# Altium PCB PROB_S7CAS_PCB.PcbDoc (part 3 of 6)
Units mil, origin at the board's own origin, x right, y up, seen from the top; angles counter-clockwise.
Board outline 5946.03 x 10918.8 mil, 16 copper layers (Top, Ground Plane 1, Data 1, Ground Plane 2, Data 2, Ground Plane 3, Power Plane 1, Ground plane 4, Power Plane 2, Ground Plane 5, Ground Plane 6, Data 3, Ground Plane 7, Data 4, Groud Plane 8, Bottom), stack 69.344 mil thick; 467 components, 340 nets, 2151 pads, 1273 vias.
Unrouted connection lines stored in the file: 425.
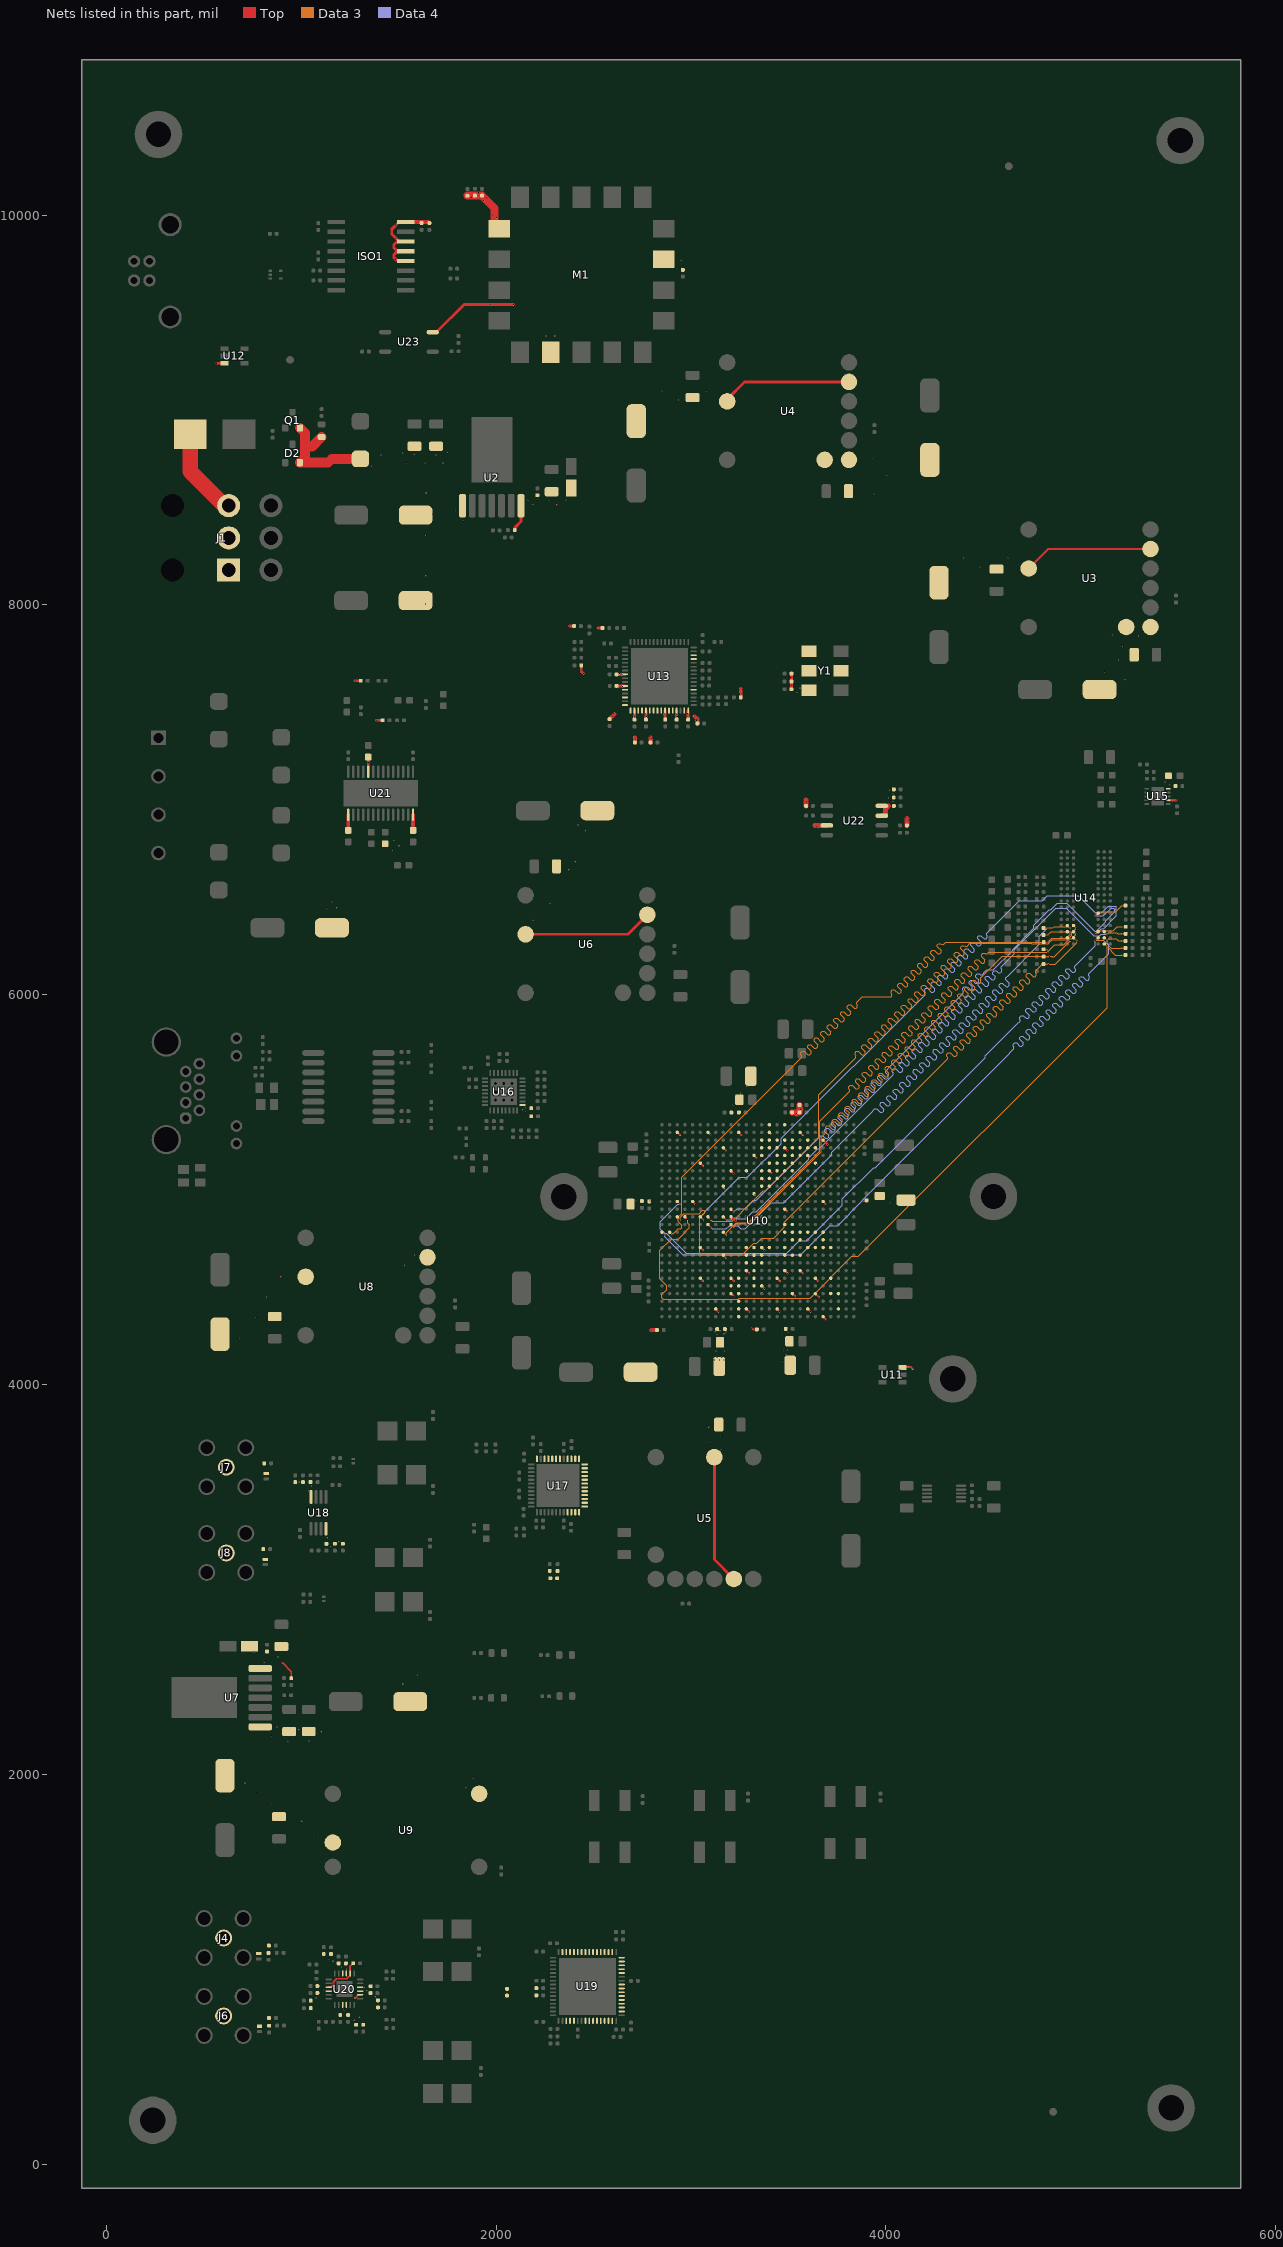
[diagram p17: the nets of this part, all layers, seen from the top]

## Via types
v1: diameter 7, hole 4, Top to Bottom, 1079 vias
v2: diameter 19.68, hole 7.87, Top to Bottom, 110 vias
v3: diameter 20, hole 10, Top to Bottom, 78 vias
v4: diameter 15, hole 4, Top to Bottom, 5 vias
v5: diameter 15, hole 6, Top to Bottom, 1 vias

## Nets (pads, with @x,y where several pads share a name; then routed paths per layer and width w, separated by ;. In a path a pad name is that pad's centre, name@x,y a point inside that pad or via, vN(x,y) a via of type N, cw(c..) or ccw(c..) an arc to the next point about the centre after c; other vN are vias at no path point) (continued)
3V3D: C20.1 C21.2 C46.2 C47.2 C48.2 C49.2 C50.2 C56.2 C57.2 C58.2 C59.2 C60.2 C66.2 C67.2 C68.2 C69.2 C70.2 C71.2 C72.2 C73.2 C74.2 C75.2 C76.2 C95.2 C96.2 C97.2 C98.2 C99.2 C100.2 C101.2 C102.2 C103.2 C104.2 C105.2 C106.2 C107.2 C108.2 C109.2 C174.2 C175.2 C240.2 C250.2 C251.2 C252.2 C253.2 C254.2 C255.2 C256.2 C259.2 C260.2 ISO1.12 ISO1.13 ISO1.14 ISO1.16 L2.2 L3.2 L4.2 M1.2 M1.8 M1.15 R22.2 R107.2 R110.2 R115.2 R116.2 U4.4 U4.5 U10.AA6 U10.AA10 U10.AA16 U10.AA21 U10.AB14 U10.AC10 U10.AC18 U10.AC21 U10.AE8 U10.AE12 U10.AE16 U10.AE20 U10.AF22 U10.B3 U10.B7 U10.B11 U10.B15 U10.B19 U10.C22 U10.D9 U10.D17 U10.E13 U10.F6 U10.F21 U10.G10 U10.G12 U10.G15 U10.G18 U10.H14 U10.J9 U10.J18 U10.K13 U10.L5 U10.L22 U10.M17 U10.N10 U10.U6 U10.U14 U10.V9 U10.Y12 U10.Y17 U10.Y19 U11.3 U12.3 U13.8 U13.11 U13.18 U13.21 U13.26 U13.29 U13.32 U16.17 U21.10 U22.3 U22.7 U22.8 Y1.6 | length 2872.1
  Top w4: C107.2@3515.14,7646.95 C107.2@3515.29,7647.11
  Top w10: U10.B3@2929.42,5293.54 2943.67,5279.29 v1(2943.75,5279.29) ; U10.L5@3008.16,4939.21 3022.41,4924.96 v1(3022.49,4924.96) ; U10.AA6@3047.53,4545.51 3047.61,4545.51 v1(3061.86,4531.26) ; U10.U6@3047.53,4702.99 3047.61,4702.99 v1(3061.86,4688.74) ; U10.F6@3047.53,5136.06 3047.61,5136.06 v1(3061.86,5121.81) ; U10.B7@3086.9,5293.54 3088.99,5293.54 v1(3099.11,5283.43) ; U10.AE8@3126.27,4388.03 v1(3140.56,4373.78) ; U10.V9@3165.64,4663.62 3165.64,4663.52 v1(3180.58,4648.58) ; U10.J9@3165.64,5017.95 3167.12,5016.48 3167.12,5008.06 v1(3171.47,5003.7) ; U10.D9@3165.64,5214.8 3165.72,5214.8 v1(3179.97,5200.55) ; U10.AC10@3205.01,4466.77 3205.09,4466.77 v1(3219.34,4452.52) ; U10.AA10@3205.01,4545.51 3205.1,4545.51 v1(3219.34,4531.26) ; U10.N10@3205.01,4860.47 3222.79,4842.69 v1(3229.56,4842.69) ; U10.G10@3205.01,5096.69 v1(3219.34,5082.44) v1(3219.34,5082.44) ; U10.B11@3244.38,5293.54 3244.47,5293.54 v1(3258.71,5279.29) ; U10.AE12@3283.75,4388.03 v1(3298,4373.78) ; U10.Y12@3283.75,4584.88 U10.Y12@3283.75,4584.88 v1(3298.08,4570.63) ; U10.G12@3283.75,5096.69 U10.G12@3283.75,5096.69 v1(3293.48,5087.04) ; v1(3311.61,4288.79) 3317.37,4283.03 C60.2@3337.63,4283.03 ; U10.K13@3323.12,4978.58 3324.15,4978.58 v1(3328.38,4974.35) ; U10.E13@3323.12,5175.43 3323.21,5175.43 v1(3335.63,5163.01) ; U10.AB14@3362.49,4506.14 3362.58,4506.14 v1(3376.82,4491.89) ; U10.U14@3362.49,4702.99 3376.74,4688.74 v1(3376.82,4688.74) ; U10.H14@3362.49,5057.32 3362.58,5057.32 v1(3373.25,5046.65) ; U10.G15@3401.86,5096.69 U10.G15@3401.86,5096.69 v1(3412.62,5086.02) ; U10.B15@3401.86,5293.54 v1(3411.28,5284.13) ; U10.AE16@3441.23,4388.03 3441.23,4387.54 v1(3454.99,4373.78) ; U10.AA16@3441.23,4545.51 3441.32,4545.51 v1(3455.56,4531.26) ; U10.Y17@3480.6,4584.88 3480.69,4584.88 v1(3494.93,4570.63) ; U10.M17@3480.6,4899.84 3480.69,4899.84 v1(3492.29,4888.24) ; U10.D17@3480.6,5214.8 v1(3494.93,5200.55) v1(3494.93,5200.55) ; U10.AC18@3519.97,4466.77 3534.22,4452.52 v1(3534.3,4452.52) ; U10.J18@3519.97,5017.95 3520.06,5017.95 v1(3527.04,5010.97) ; U10.G18@3519.97,5096.69 3520.06,5096.69 v1(3525.68,5091.07) ; U10.Y19@3559.34,4584.88 3573.59,4570.63 v1(3573.67,4570.63) ; U10.B19@3559.34,5293.54 v1(3573.59,5279.29) ; U10.AE20@3598.75,4388.03 v1(3613,4373.78) ; U10.AC21@3638.08,4466.77 3640.56,4464.29 3640.65,4464.29 v1(3657.36,4447.57) ; U10.AA21@3638.08,4545.51 3638.17,4545.51 v1(3652.41,4531.26) ; U10.F21@3638.08,5136.06 3638.17,5136.06 v1(3645.15,5129.08) ; U10.L22@3677.45,4939.21 U10.L22@3677.45,4939.21 v1(3691.78,4924.96) ; U10.C22@3677.45,5254.17 U10.C22@3677.45,5254.17 3700.13,5231.58 v1(3700.64,5231.07) ; U10.AF22@3677.45,4348.66 v1(3691.74,4334.41) ; U11.3@4087.06,4090.61 4126.88,4090.61 v1(4138.18,4079.31)
  Top w12: v1(566.08,9239.33) U12.3@606.61,9239.33 ; v1(1275.32,7610.57) R107.2@1305.51,7610.57 ; U21.10@1343.82,7143.81 v1(1343.82,7191.89) C240.2@1343.82,7218.89 ; v1(1385.1,7407.83) R110.2@1417.37,7407.83
  Top w15: ISO1.13@1497.96,9810.74 1474.91,9833.79 1474.91,9846.21 1497.53,9868.83 1464.48,9901.88 1464.48,9927.26 1501.79,9964.57 ISO1.16@1536.04,9964.57 ; ISO1.14@1501.79,9864.57 ISO1.14@1536.04,9864.57 ; ISO1.12@1536.04,9764.57 1532.54,9768.07 1489.88,9768.07 1474.91,9783.04 1474.91,9795.46 1490.51,9811.06 1498.29,9811.06 1501.79,9814.57 ISO1.13@1536.04,9814.57 ; v1(2376.85,7891.08) L2.2@2399.98,7891.08 ; C99.2@2436.7,7689.17 2436.7,7658.43 v1(2447.85,7647.27) ; v1(2522.07,7881.24) L3.2@2545.2,7881.24 ; C106.2@2617.48,7643.42 U13.8@2661.3,7643.42 ; C105.2@2617.79,7584.37 U13.11@2661.3,7584.37 ; C104.2@2709.53,7411.08 U13.18@2709.53,7457.4 ; C103.2@2768.58,7411.08 U13.21@2768.58,7457.4 ; U13.26@2867.01,7457.4 2867.24,7457.16 2867.24,7411.31 C102.2@2867.48,7411.08 ; C101.2@2926.06,7411.08 U13.29@2926.06,7457.4 ; C100.2@2985.12,7411.39 U13.32@2985.12,7457.4 ; C109.2@3514.98,7567.11 3515.14,7567.27 C107.2@3515.14,7646.95
  Top w20: C95.2@2582.48,7413.58 2607.74,7438.84 ; C96.2@2711.71,7293.58 2711.71,7319.76 ; C97.2@2792.64,7293.58 2792.64,7320.73 ; v1(2794.76,4278.61) 2796.25,4280.11 R22.2@2825.01,4280.11 ; v1@3018.13,7428.58 3032.48,7414.23 C98.2@3032.48,7391.71 ; L4.2@3254.98,7525.24 3254.98,7567.5
  Top w22: ISO1.16@1536.04,9964.57 1651.56,9964.57 C259.2@1657.27,9958.86
  Top w25: R115.2@3590.29,6968.58 3590.29,6998.91 ; 3634.89,6868.58 U22.3@3697.05,6868.58 ; U22.7@3978.54,6918.58 3997.83,6918.58 3998.52,6919.27 3998.52,6953.65 4013.45,6968.58 ; R116.2@4107.48,6868.58 4107.48,6903.57
  Top w30: C50.2@3518.38,5396.58 3542.04,5396.58 ; v1(3542.04,5390.85) 3542.04,5396.58 ; 3556.45,5410.37 v1(3561.56,5410.37) ; C74.2@3556.45,5433.88 3556.45,5396.83 C71.2@3556.7,5396.58 3542.04,5396.58
  Top w40: C254.2@1852.91,10098.91 1853.31,10099.31 C256.2@1927.79,10099.31 1992.03,10035.07 1992.03,9953.32 M1.15@2015.55,9929.8
  other v1: 4117.53,4094.36 3469.47,4122.37 3119.28,4125.38 3145.07,4125.27 3169.22,4126.25 3132.4,4140.02 3157.42,4140.35 3485.48,4156.35 3127.88,4170.9 3170.05,4171.07 3469.76,4176.25 3496.71,4175.95 3134.92,4258.83 3169.35,4260 3473.02,4266.8 3497.39,4266.96 3178.15,4269.8 3123.84,4270.65 3148.56,4275.77 4022.38,4929.48 2719.48,4939.56 3887.65,4940.75 2789,4942.27 4042.36,4949.45 2152.28,5396.13 2137.57,5408.97 2152.83,5420.28 3217.01,5436.03 3251.64,5493.67 3285.45,5527.49 3646.66,6861.85 3630.75,6875.11 4114.73,6890.58 4101.72,6905.66 4005.55,6934.02 3990.12,6953.26 4017.79,6968.36 4034.16,6989.34 3595.32,6989.7 3584.34,7003.72 4010.95,7010.82 4035.91,7032.44 4017.94,7049.45 2797.94,7311.11 2715.71,7312.44 2706.42,7321.87 2788.22,7323.49 3027.04,7408.03 3036.54,7417.96 2598.55,7423.99 2713.04,7426.15 2870.64,7426.27 2771.8,7426.71 2929.4,7426.75 2988.92,7427.25 3016.89,7429.73 2863.34,7439.07 2921.91,7438.84 2705.54,7439.9 2764.75,7441.47 2605.7,7443.47 2981.57,7443.66 3249.07,7541.48 3545.48,7548.61 3260.78,7557.18 3248.95,7569.01 3559.33,7575.56 2647.99,7580.65 3518.4,7587.34 2633.98,7588.5 3511.66,7627.15 2647.38,7639.71 2633.13,7647.32 2433.22,7666.34 3940.55,8570.4 4005.08,8663.58 3940.55,8749.76 2257.88,9379.27 2301.23,9379.6 2921.51,9725.36 2949.09,9766.65 1484.64,9773.2 1482.93,9825.95 1487.37,9878.53 1487.35,9950.14 1594.74,9956.68 1637.76,9969.31 2001.97,9986.6 1981.17,9999.78 1936.09,10073.99 1954.12,10088.32 1872.28,10089.94 1909.5,10113.98
3V3DDR: C16.1 C17.2 C159.2 R57.2 U3.4 U3.5 U15.7 U15.10 | length 39.4
  Top w15: U15.7@5448.84,6997.53 v1@5488.21,6997.53
  other v1: 5465.57,6994.18 5487.55,7000.12 5452.89,7077.24 5430,7090.95 5460,7100 5228.29,7615.08 5122.28,7657.11 5191.4,7719.22 5218.01,7786.46 5297.4,7842.03 5160.11,7846.7
5VD: C11.2 C12.2 C13.2 C14.1 C15.2 C18.1 C19.2 C22.1 C23.2 C28.1 C29.2 R11.2 U2.7 U3.2 U3.9 U4.2 U4.9 U5.2 U5.9 U6.2 U6.9 U23.4 | length 3284.5
  Top w4: U4.2@3185.29,9043.58 U4.2@3185.29,9055.29
  Top w10: U3.2@4732.25,8186.51 4832.25,8286.51 U3.9@5357.25,8286.51
  Top w15: U23.4@1674.92,9399.25 1694.61,9399.25 1835.36,9540 v1@2090,9540 ; R11.2@2095.4,8383.45 2097.9,8385.95 2097.9,8397.82 2127.79,8427.71 U2.7@2127.79,8508.59 ; U6.2@2151.02,6310.09 2676.02,6310.09 U6.9@2776.02,6410.09 ; U5.2@3119.65,3627.52 3119.65,3102.52 U5.9@3219.65,3002.52 ; U4.2@3185.29,9055.29 3273.58,9143.58 U4.9@3810.29,9143.58
  other v1: 3153.76,3666.98 3093.28,3698.19 3155.14,3738.51 3091.35,3781.87 2190.42,6382.77 2277.85,6469.78 2373.43,6640.36 2405.15,6681.5 2458.72,6840.51 2418.44,6870.52 4480.79,8196.06 4400,8241.88 4627.53,8241.88 2187.66,8512.91 2311.47,8512.91 2162.48,8536.66 2212.07,8536.66 2264.45,8536.66 2360,8536.66 2933.84,9053.13 2853.05,9098.95 3080.58,9098.95 1974.16,9540.41 2089.16,9539.87
5VN: C33.2 C196.1 C197.1 C198.1 C226.1 C227.1 C228.1 C229.1 C230.1 C231.1 C232.1 C233.1 U9.5 U18.4 U20.15 U20.16 U20.21 U20.22
  other v1: 1379.55,859.07 1337.03,891.55 1322.62,906.7 1232.59,1001.29 1205.06,1009.8 1163.12,1041.79 1138.62,1054.91 1844.23,1930.63 1881.35,1979.25 1521.39,2463.64 1594.94,2508.56 1035.88,3455.11 1051.12,3477.97 989.45,3500.01
5VP: C37.2 C38.2 C39.2 C40.1 C41.2 C44.1 C45.2 C186.2 C187.2 C188.2 C210.2 C211.2 C212.2 C213.2 C214.2 C215.2 C216.2 C217.2 C218.2 R18.2 U7.7 U8.2 U8.9 U9.2 U18.8 U20.3 U20.4 U20.9 U20.10 U20.14 U20.20 | length 350.8
  Top w4: U7.7@789.57,2543.58 U7.7@796.33,2536.82
  Top w10: 904.26,2572.19 949.12,2527.32 R18.2@949.12,2493.58 ; U20.3@1141.26,908.39 1150.94,908.39 1166.15,923.6 1166.15,936.72 1181.13,951.7 1233.62,951.7 1251.5,969.57 U20.20@1251.5,979.26 1251.5,1015.63 C212.2@1267.08,1031.22 ; v1(1276.77,852.8) 1292.99,869.02 U20.14@1302.68,869.02
  other v1: 1271.72,739.56 1297.06,754.74 1221.32,793.31 1074.29,853.04 1114.39,900.38 1165.86,924.09 1079.9,1691.64 1003.78,1760.08 838.14,1846.9 770.42,1907.28 712.02,1958.14 809.76,2573.87 880.94,2600.47 759.02,2627.36 1150.3,3173.6 1193.33,3192.77 1132.89,3213.7 678.92,4234.92 770,4342.5 823.85,4447.5 895.63,4552.5 1529.77,4612.55 1579.69,4666.68
24V: C8.1 C9.2 C10.2 C34.1 C35.2 C36.2 C242.2 C247.1 C248.2 C249.2 D2.2 D4.1 D18.A Q1.2 U2.1 U7.1 U21.15 U21.28 | length 784.6
  Top w20: C249.2@1241.46,6843.08 U21.15@1241.46,6923.34 ; C248.2@1574.14,6843.08 U21.28@1574.13,6923.34
  Top w50: Q1.2@993.06,8908.09 1019.18,8881.97 1019.18,8812.9 ; D18.A@1104.64,8860.78 1056.76,8812.9 1019.18,8812.9 ; D4.1@1303.86,8748.84 1157.05,8748.84 1137.9,8729.69 D2.2@993.06,8729.69 1019.18,8755.81 1019.18,8812.9
  other v1: 931.07,2170.93 1038.74,2171.59 847.79,2198.4 1102.02,2218.39 988.42,2228.72 874.6,2243.22 1183.12,6445.28 1133.48,6446.71 1159.32,6474.18 1472.98,6739.53 1501.87,6763.34 1474.41,6789.18 1240.13,6875.64 1573.18,6875.63 1636.91,8003.4 1671.23,8062.6 1639.42,8149.04 1642.32,8356.09 1831.49,8428.57 1673.09,8466.13 1787.1,8482.66 1641.27,8573.51 1362.89,8711.08 1636.35,8726.22 1729.12,8727.9 1540.21,8729.16 1410.91,8768.62 1691.34,8769.04 1579.67,8771.14 1517.54,8777.02 1750.95,8777.44
24VALIM: F1.1 J1.1 J1.2 J1.3 | length 460.9
  Top w80: F1.1@430.24,8875.36 430.24,8685.57 599.59,8516.22 620.92,8516.22 J1.3@628.21,8508.93
590BD_OE: U10.AA23 Y1.2
AD91_CS: U10.V18 U17.33
AD91_D0N: U10.Y13 U17.28
AD91_D0P: U10.W13 U17.27
AD91_D1N: U10.AB13 U17.26
AD91_D1P: U10.AA13 U17.25
AD91_D2N: U10.V14 U17.24
AD91_D2P: U10.U15 U17.23
AD91_D3N: U10.AB11 U17.22
AD91_D3P: U10.AA11 U17.21
AD91_D4N: U10.W14 U17.16
AD91_D4P: U10.V13 U17.15
AD91_D5N: U10.AD11 U17.14
AD91_D5P: U10.AC11 U17.13
AD91_D6N: U10.W12 U17.12
AD91_D6P: U10.V12 U17.11
AD91_D7N: U10.AF11 U17.10
AD91_D7P: U10.AE11 U17.9
AD91_DCIN: U10.U12 U17.18
AD91_DCIP: U10.U13 U17.17
AD91_FRAMEN: U10.AB10 U17.20
AD91_FRAMEP: U10.Y10 U17.19
AD91_IRQ: U10.V19 U17.34
AD91_RESET: U10.U20 U17.36
AD91_SCLK: U10.AC23 U17.32
AD91_SDIO: U10.AC24 U17.31
AD91_TXENABLE: U10.AE24 U17.30
ADC_1: D6.1 J4.1 R94.2 R96.2
ADC_2: D8.1 J6.1 R101.2 R104.2
ADS62_CLKOUTM: U10.C14 U19.56
ADS62_CLKOUTP: U10.D14 U19.57
ADS62_CTRL1: U10.R19 U19.35
ADS62_CTRL2: U10.R17 U19.36
ADS62_CTRL3: U10.R18 U19.37
ADS62_DA0N: U10.G14 U19.40
ADS62_DA0P: U10.J14 U19.41
ADS62_DA2N: U10.D15 U19.42
ADS62_DA2P: U10.E14 U19.43
ADS62_DA4N: U10.C16 U19.44
ADS62_DA4P: U10.D16 U19.45
ADS62_DA6N: U10.F15 U19.46
ADS62_DA6P: U10.G16 U19.47
ADS62_DA8N: U10.E17 U19.50
ADS62_DA8P: U10.F17 U19.51
ADS62_DA10N: U10.E16 U19.52
ADS62_DA10P: U10.F16 U19.53
ADS62_DA12N: U10.A17 U19.54
ADS62_DA12P: U10.C17 U19.55
ADS62_DB0N: U10.H15 U19.60
ADS62_DB0P: U10.J15 U19.61
ADS62_DB2N: U10.C18 U19.62
ADS62_DB2P: U10.D18 U19.63
ADS62_DB4N: U10.D19 U19.2
ADS62_DB4P: U10.E19 U19.3
ADS62_DB6N: U10.G17 U19.4
ADS62_DB6P: U10.H16 U19.5
ADS62_DB8N: U10.C20 U19.6
ADS62_DB8P: U10.D21 U19.7
ADS62_DB10N: U10.E18 U19.8
ADS62_DB10P: U10.F18 U19.9
ADS62_DB12N: U10.D20 U19.10
ADS62_DB12P: U10.E20 U19.11
ADS62_RESET: U10.R21 U19.12
ADS62_SCLK: U10.P17 U19.13
ADS62_SDATA: U10.R20 U19.14
ADS62_SDOUT: U10.R22 U19.64
ADS62_SEN: U10.P18 U19.15
CDCE_CLKN_100MHz: U10.A15 U13.17
CDCE_CLKN_200MHz: C206.1 R93.1 U13.20
CDCE_CLKN_400MHz: C180.1 R85.1 U13.28
CDCE_CLKP_100MHz: U10.C15 U13.16
CDCE_CLKP_200MHz: C205.1 R93.2 U13.19
CDCE_CLKP_400MHz: C179.1 R85.2 U13.27
CDCE_OSCM: U13.46 Y1.5
CDCE_OSCP: U13.45 Y1.4
CDCE_PLL_LOCK: U10.V17 U13.37
CDCE_PWRDN: U10.T22 U13.12
CDCE_REF_SEL: U10.U22 U13.31
CDCE_SPI_CLK: U10.T18 U13.24
CDCE_SPI_LE: U10.U23 U13.25
CDCE_SPI_MISO: U10.U21 U13.22
CDCE_SPI_MOSI: U10.T19 U13.23
CDCE_SYNC: U10.U17 U13.14
DAC_1: D11.1 J7.1 R78.2
DAC_2: D13.1 J8.1 R87.2
DDR3_A0: R34.1 U10.N7 U14.N3 | length 3868.1
  Top w4: U10.N7@3086.9,4860.47 v1(3101.23,4846.22) ; R34.1@4808.43,6306.45 v1(4830,6306.45) ; U14.N3@4962.24,6354.93 v1(4976.5,6340.68)
  Data 3 w4: v1(3101.23,4846.22) 3109.73,4837.72 3212.57,4837.72 3244.12,4869.27 3245.23,4869.27 3276.77,4900.82 3276.77,4901.92 3370.05,4995.2 3380.35,4995.2 3653.91,5268.77 3653.91,5486.08 3844.14,5676.3 3845.55,5677.72 3845.55,5687.9 3841.59,5691.86 3841.59,5702.04 3848.38,5708.83 3858.56,5708.83 3876.67,5690.73 3886.85,5690.73 3893.64,5697.52 3893.64,5707.7 3875.54,5725.8 3875.54,5735.98 3882.32,5742.77 3892.51,5742.77 3910.61,5724.67 3920.79,5724.67 3927.58,5731.46 3927.58,5741.64 3909.48,5759.74 3909.48,5769.93 3916.26,5776.71 3926.45,5776.71 3944.55,5758.61 3954.73,5758.61 3961.52,5765.4 3961.52,5775.58 3943.42,5793.68 3943.42,5803.87 3950.21,5810.66 3960.39,5810.66 3978.49,5792.55 3988.67,5792.55 3995.46,5799.34 3995.46,5809.52 3977.36,5827.63 3977.36,5837.81 3984.15,5844.6 3994.33,5844.6 4012.43,5826.49 4022.61,5826.49 4029.4,5833.28 4029.4,5843.46 4011.3,5861.57 4011.3,5871.75 4018.09,5878.54 4028.27,5878.54 4046.37,5860.44 4056.55,5860.44 4063.34,5867.22 4063.34,5877.41 4045.24,5895.51 4045.24,5905.69 4052.03,5912.48 4062.21,5912.48 4080.31,5894.38 4090.5,5894.38 4097.28,5901.16 4097.28,5911.35 4079.18,5929.45 4079.18,5939.63 4085.97,5946.42 4096.15,5946.42 4114.25,5928.32 4124.44,5928.32 4131.22,5935.11 4131.22,5945.29 4113.12,5963.39 4113.12,5973.57 4119.91,5980.36 4130.09,5980.36 4148.2,5962.26 4158.38,5962.26 4165.17,5969.05 4165.17,5979.23 4147.06,5997.33 4147.06,6007.51 4153.85,6014.3 4164.03,6014.3 4182.14,5996.2 4192.32,5996.2 4199.11,6002.99 4199.11,6013.17 4181.01,6031.27 4181.01,6041.45 4187.79,6048.24 4197.98,6048.24 4216.08,6030.14 4226.26,6030.14 4233.05,6036.93 4233.05,6047.11 4214.95,6065.21 4214.95,6075.4 4221.73,6082.18 4231.92,6082.18 4250.02,6064.08 4260.2,6064.08 4266.99,6070.87 4266.99,6081.05 4248.89,6099.15 4248.89,6109.34 4255.68,6116.13 4265.86,6116.13 4283.96,6098.02 4294.14,6098.02 4300.93,6104.81 4300.93,6114.99 4282.83,6133.1 4282.83,6143.28 4289.62,6150.07 4299.8,6150.07 4317.9,6131.96 4328.08,6131.96 4334.87,6138.75 4334.87,6148.94 4316.77,6167.04 4316.77,6177.22 4323.56,6184.01 4333.74,6184.01 4351.84,6165.91 4362.02,6165.91 4368.81,6172.69 4368.81,6182.88 4350.71,6200.98 4350.71,6211.16 4357.5,6217.95 4367.68,6217.95 4385.78,6199.85 4395.97,6199.85 4402.75,6206.63 4402.75,6216.82 4384.65,6234.92 4384.65,6245.1 4391.44,6251.89 4401.62,6251.89 4405.58,6247.93 4415.76,6247.93 4430.96,6263.13 4745.41,6263.13 4746.91,6261.63 4833.52,6261.63 4838.5,6266.61 4838.5,6268.73 4852.43,6282.66 4928.44,6282.66 4938.81,6293.03 4940.93,6293.03 4953.57,6305.67 4953.57,6323.5 ; v1(4830,6306.45) 4847.05,6323.5 4953.57,6323.5 ; v1(4976.5,6340.68) 4976.5,6340.62 4959.39,6323.5 4953.57,6323.5
DDR3_A1: R35.1 U10.N6 U14.P7 | length 3864.4
  Top w4: U10.N6@3047.57,4860.47 v1@3061.82,4846.22 ; v1(5073.92,6309.86) 5074.28,6309.86 5087.86,6323.44 U14.P7@5088.22,6323.44 ; v1(5210,6348.76) R35.1@5230.11,6348.76
  Data 3 w4: v1(5073.92,6309.86) 5093.37,6329.31 5166.19,6329.31 5185.64,6348.76 v1(5210,6348.76)
  Data 4 w4: v1(3061.86,4846.22) 3048.02,4860.07 3048.02,4863.38 3061.73,4877.09 3065.38,4877.09 3073.94,4885.65 3073.94,4889.3 3247.49,5062.85 3287.5,5062.85 3377.33,5152.68 3380.35,5152.68 3464.06,5236.4 3464.06,5262.54 4200.85,5999.32 4202.26,6000.74 4202.26,6010.92 4198.3,6014.88 4198.3,6025.06 4205.09,6031.85 4215.28,6031.85 4233.38,6013.75 4243.56,6013.75 4250.35,6020.54 4250.35,6030.72 4232.25,6048.82 4232.25,6059 4239.03,6065.79 4249.22,6065.79 4267.32,6047.69 4277.5,6047.69 4284.29,6054.48 4284.29,6064.66 4266.19,6082.76 4266.19,6092.94 4272.98,6099.73 4283.16,6099.73 4301.26,6081.63 4311.44,6081.63 4318.23,6088.42 4318.23,6098.6 4300.13,6116.7 4300.13,6126.89 4306.92,6133.67 4317.1,6133.67 4335.2,6115.57 4345.38,6115.57 4352.17,6122.36 4352.17,6132.54 4334.07,6150.64 4334.07,6160.83 4340.86,6167.62 4351.04,6167.62 4369.14,6149.51 4379.32,6149.51 4386.11,6156.3 4386.11,6166.48 4368.01,6184.59 4368.01,6194.77 4374.8,6201.56 4384.98,6201.56 4403.08,6183.45 4413.27,6183.45 4420.05,6190.24 4420.05,6200.43 4401.95,6218.53 4401.95,6228.71 4408.74,6235.5 4418.92,6235.5 4437.02,6217.4 4447.21,6217.4 4453.99,6224.18 4453.99,6234.37 4435.89,6252.47 4435.89,6262.65 4442.68,6269.44 4452.86,6269.44 4470.97,6251.34 4481.15,6251.34 4487.94,6258.12 4487.94,6268.31 4469.83,6286.41 4469.83,6296.59 4476.62,6303.38 4486.8,6303.38 4503.21,6286.98 4513.39,6286.98 4520.18,6293.77 4520.18,6303.95 4517.92,6306.21 4517.92,6316.39 4544.93,6343.4 4684.2,6482.68 4802.36,6482.68 4827.03,6507.34 4987.2,6507.34 5073.15,6421.39 5108.25,6421.39 5140.41,6453.55 5178,6453.55 5181.04,6450.51 5181.04,6404.15 5116.13,6339.23 5103.29,6339.23 v1(5073.92,6309.86)